# Altium PCB BloopPadMaxx_00.PcbDoc (part 3 of 3) (continued)
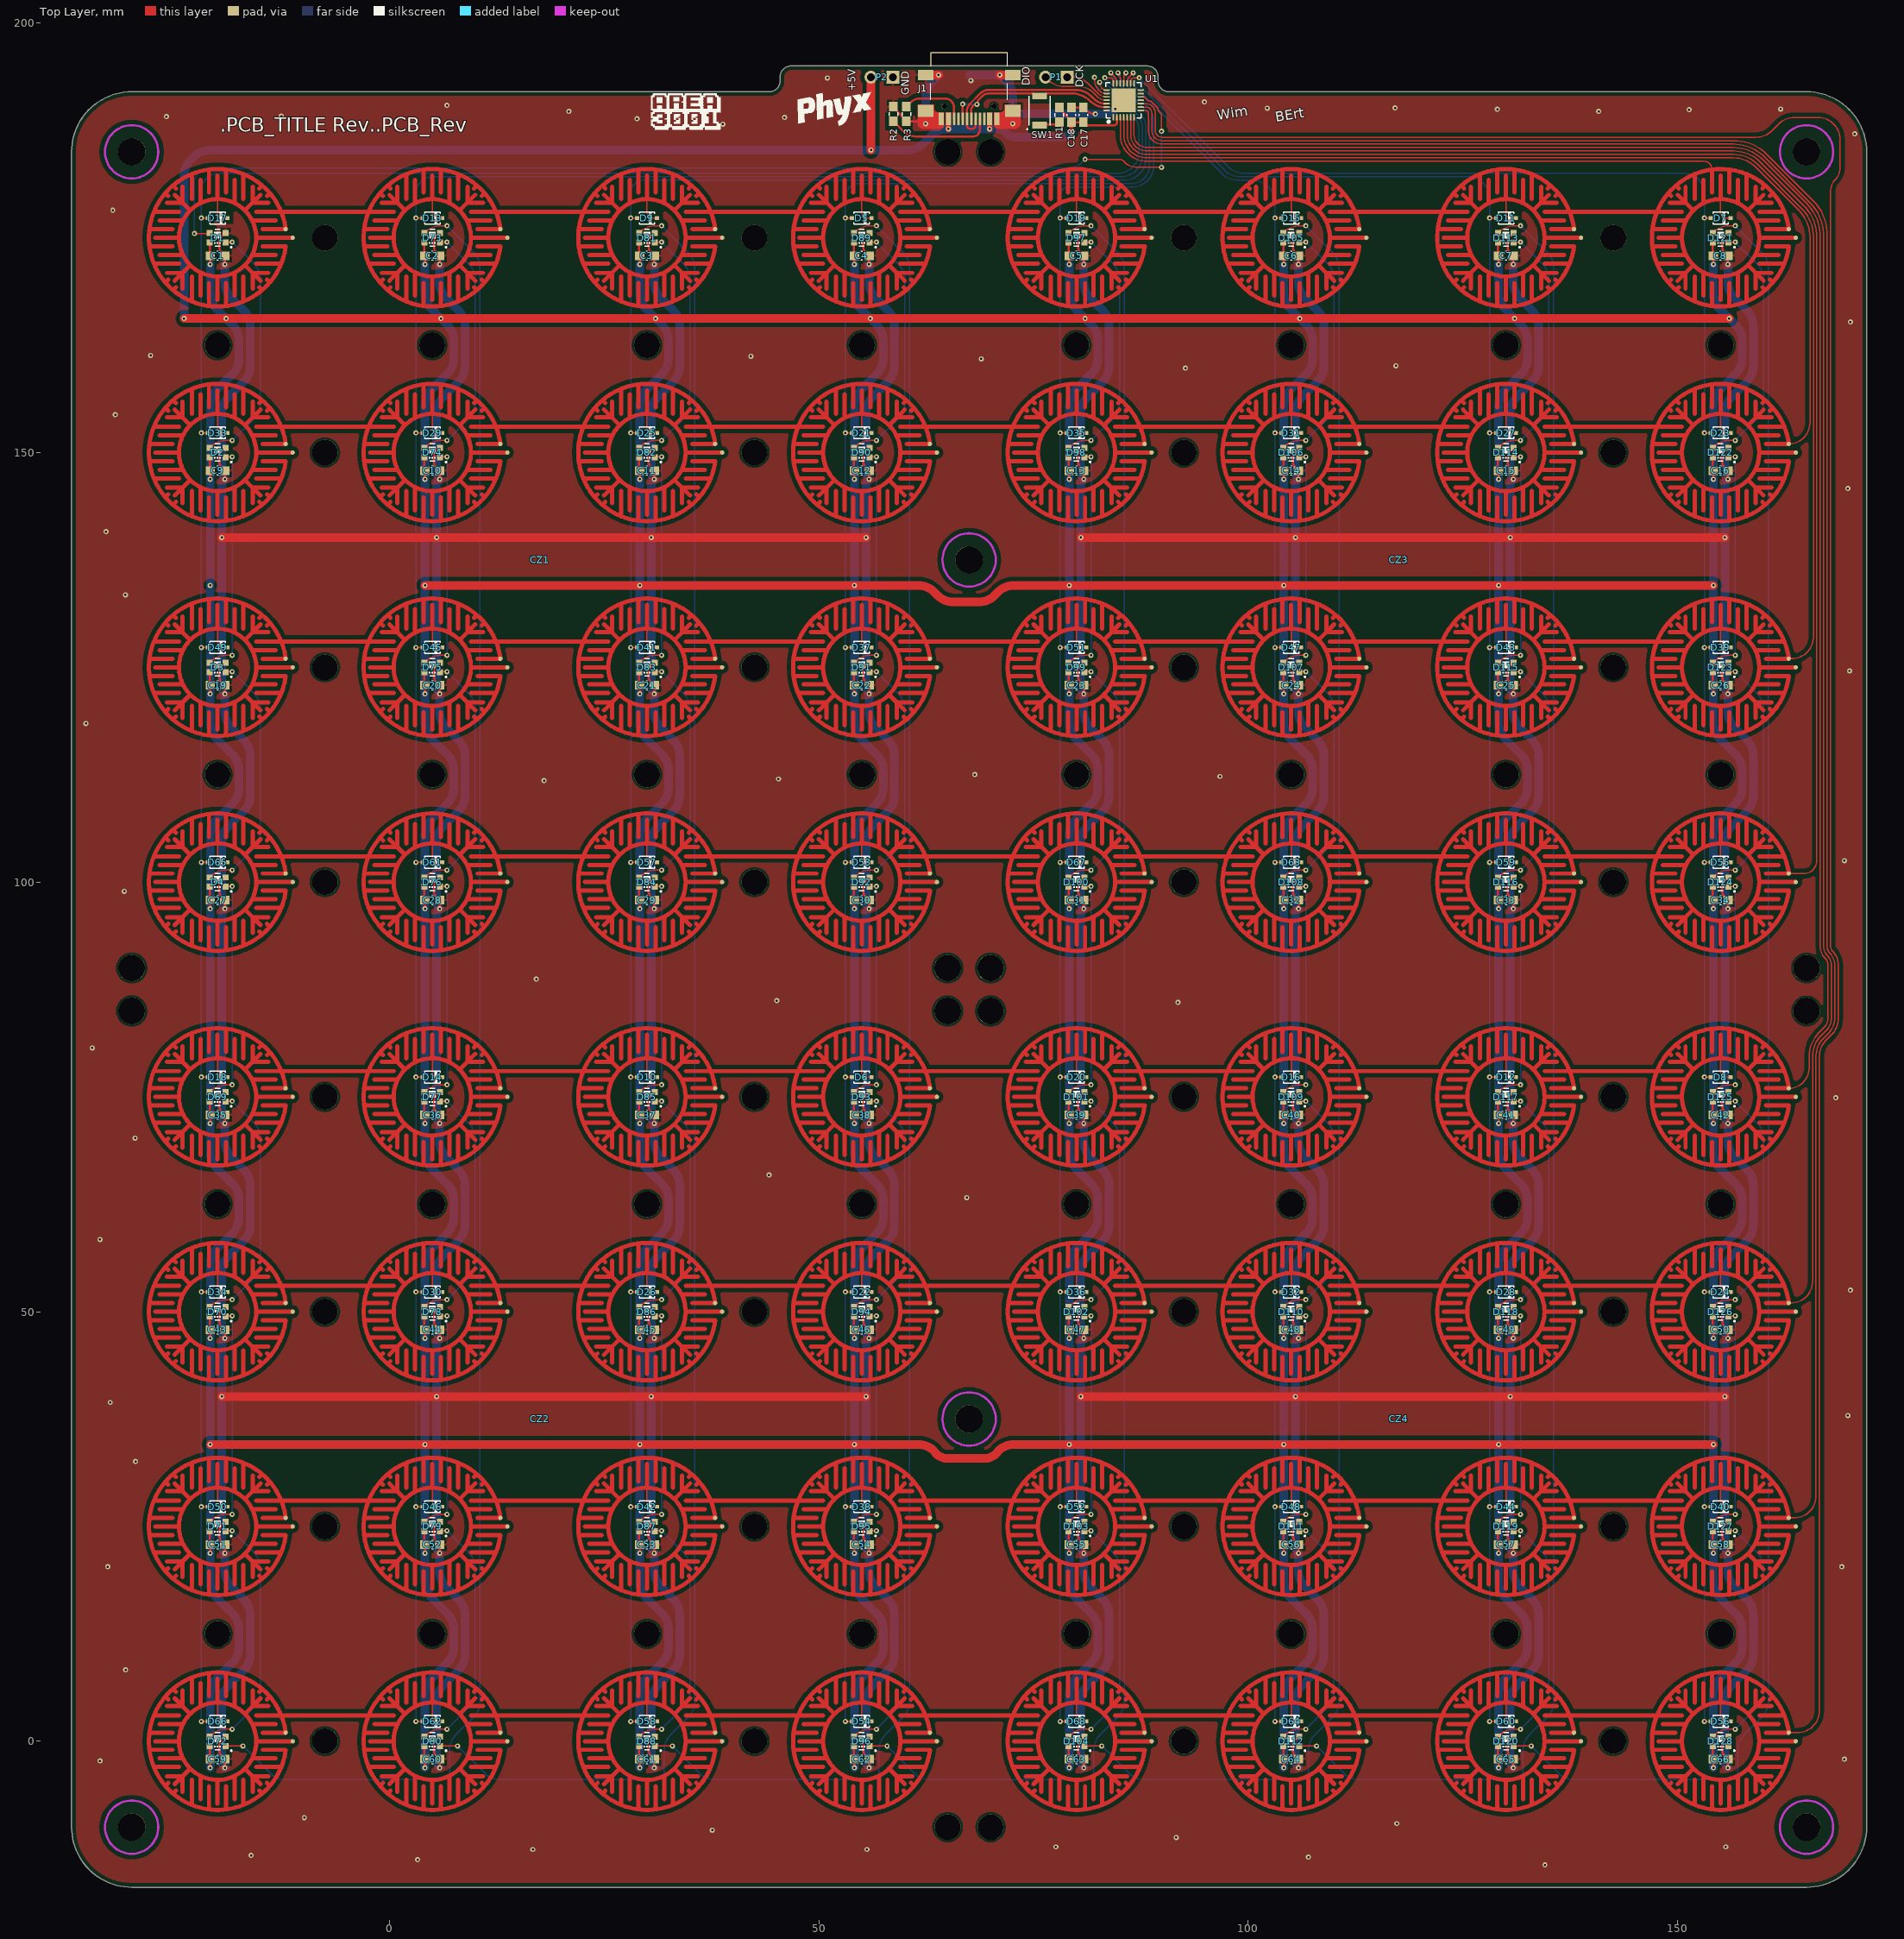
[diagram p0: Top Layer view]
## Nets (pads, with @x,y where several pads share a name; then routed paths per layer and width w, separated by ;. In a path a pad name is that pad's centre, name@x,y a point inside that pad or via, vN(x,y) a via of type N, cw(c..) or ccw(c..) an arc to the next point about the centre after c; other vN are vias at no path point) (continued)
  Bottom Layer w0.15: v1(85.761,194.196) ccw(c87.107,194.196) 86.156,193.244 96.956,182.444 ccw(c98.752,184.24) 98.752,181.7 100.46,181.7 cw(c100.46,179.06) 103.1,179.06 v1(103.1,177.3) v1(103.1,152.3) v1(103.1,127.3) v1(103.1,102.3) v1(103.1,77.3) v1(103.1,52.3) v1(103.1,27.3) v1(103.1,2.3)
ROW6: D11.A D12.A D27.A D28.A D43.A D44.A D59.A D60.A U1.17 | length 233
  Top Layer w0.15: U1.17@85.9,192.975 cw(c87.167,192.975) 86.271,193.871 v1(86.6,194.2) ; v1(128.1,2.3) D60.A@128.86,2.3 ; v1(128.1,27.3) D44.A@128.86,27.3 ; v1(128.1,52.3) D28.A@128.86,52.3 ; v1(128.1,77.3) D12.A@128.86,77.3 ; v1(128.1,102.3) D59.A@128.86,102.3 ; v1(128.1,127.3) D43.A@128.86,127.3 ; v1(128.1,152.3) D27.A@128.86,152.3 ; v1(128.1,177.3) D11.A@128.86,177.3
  Bottom Layer w0.15: v1(86.6,194.2) ccw(c88.304,194.2) 87.099,192.995 97.25,182.844 ccw(c99.046,184.64) 99.046,182.1 99.791,182.1 125.56,182.1 cw(c125.56,179.56) 128.1,179.56 v1(128.1,177.3) v1(128.1,152.3) v1(128.1,127.3) v1(128.1,102.3) v1(128.1,77.3) v1(128.1,52.3) v1(128.1,27.3) v1(128.1,2.3)
ROW7: D7.A D8.A D23.A D24.A D39.A D40.A D55.A D56.A U1.16 | length 257
  Top Layer w0.15: U1.16@86.3,192.975 86.3,193.184 cw(c86.747,193.184) 86.747,193.631 v1(87.303,193.631) ; v1(153.1,2.3) D56.A@153.86,2.3 ; v1(153.1,27.3) D40.A@153.86,27.3 ; v1(153.1,52.3) D24.A@153.86,52.3 ; v1(153.1,77.3) D8.A@153.86,77.3 ; v1(153.1,102.3) D55.A@153.86,102.3 ; v1(153.1,127.3) D39.A@153.86,127.3 ; v1(153.1,152.3) D23.A@153.86,152.3 ; v1(153.1,177.3) D7.A@153.86,177.3
  Bottom Layer w0.15: v1(87.303,193.631) 97.69,183.244 ccw(c99.486,185.04) 99.486,182.5 102.024,182.5 150.76,182.5 cw(c150.76,180.16) 153.1,180.16 v1(153.1,177.3) v1(153.1,152.3) v1(153.1,127.3) v1(153.1,102.3) v1(153.1,77.3) v1(153.1,52.3) v1(153.1,27.3) v1(153.1,2.3)
USB.D_n: J1.A7 J1.B7 U1.26 | length 21.8
  Top Layer w0.25: J1.B7@68.25,188.853 68.25,188.05 cw(c67.9,188.05) 67.9,187.7 67.6,187.7 cw(c67.6,188.05) 67.25,188.05 J1.A7@67.25,188.853 67.25,189.703 cw(c68.587,189.703) 67.642,190.648 68.804,191.811 cw(c69.731,190.884) 69.731,192.195 79.934,192.195 cw(c79.934,189.655) 81.73,191.451 81.775,191.406 cw(c79.621,188.821) 82,191.2 ccw(c83.449,192.649) 83.449,190.6 U1.26@83.525,190.6
USB.D_p: J1.A6 J1.B6 SW1.2 U1.27 | length 21.8
  Top Layer w0.25: J1.B6@66.75,188.853 v1(66.75,190.55) ; J1.A6@67.75,188.853 67.75,189.886 cw(c68.4,189.886) v1(68.4,190.536) cw(c69.136,190.536) 68.616,191.056 69.087,191.528 cw(c69.709,190.906) 69.709,191.785 74.975,191.785 74.975,191.775 75.25,191.5 76.15,191.5 76.445,191.795 79.503,191.795 cw(c79.503,188.89) 81.556,190.944 ccw(c83.352,192.74) 83.352,190.2 U1.27@83.525,190.2
  Bottom Layer w0.25: v1(66.75,190.55) ccw(c66.784,190.584) 66.784,190.536 v1(68.4,190.536)
VUSB: C1.1 C2.1 C3.1 C4.1 C5.1 C6.1 C7.1 C8.1 C9.1 C10.1 C11.1 C12.1 C13.1 C14.1 C15.1 C16.1 C17.1 C18.1 C19.1 C20.1 C21.1 C22.1 C23.1 C24.1 C25.1 C26.1 C27.1 C28.1 C29.1 C30.1 C31.1 C32.1 C33.1 C34.1 C35.1 C36.1 C37.1 C38.1 C39.1 C40.1 C41.1 C42.1 C43.1 C44.1 C45.1 C46.1 C47.1 C48.1 C49.1 C50.1 C51.1 C52.1 C53.1 C54.1 C55.1 C56.1 C57.1 C58.1 C59.1 C60.1 C61.1 C62.1 C63.1 C64.1 C65.1 C66.1 D1.4 D2.4 D3.4 D4.4 D69.4 D70.4 D71.4 D72.4 D73.4 D74.4 D75.4 D76.4 D77.4 D78.4 D79.4 D80.4 D81.4 D82.4 D83.4 D84.4 D85.4 D86.4 D87.4 D88.4 D89.4 D90.4 D91.4 D92.4 D93.4 D94.4 D95.4 D96.4 D97.4 D98.4 D99.4 D100.4 D101.4 D102.4 D103.4 D104.4 D105.4 D106.4 D107.4 D108.4 D109.4 D110.4 D111.4 D112.4 D113.4 D114.4 D115.4 D116.4 D117.4 D118.4 D119.4 D120.4 D121.4 D122.4 D123.4 D124.4 D125.4 D126.4 D127.4 D128.4 J1.A4 J1.A9 J1.B4 J1.B9 P2.2 R1.1 U1.2 | length 2288.5
  Top Layer w0.25: D72.4@-20.915,-0.55 -20.915,-2.035 ccw(c-20.85,-2.035) C59.1@-20.85,-2.1 v1(-20.85,-3.1) ; D71.4@-20.915,24.45 -20.915,22.965 ccw(c-20.85,22.965) C51.1@-20.85,22.9 v1(-20.85,21.9) ; D70.4@-20.915,49.45 -20.915,47.965 ccw(c-20.85,47.965) C43.1@-20.85,47.9 v1(-20.85,46.9) ; D69.4@-20.915,74.45 -20.915,72.965 ccw(c-20.85,72.965) C35.1@-20.85,72.9 v1(-20.85,71.9) ; D4.4@-20.915,99.45 -20.915,97.965 ccw(c-20.85,97.965) C27.1@-20.85,97.9 v1(-20.85,96.9) ; D3.4@-20.915,124.45 -20.915,122.965 ccw(c-20.85,122.965) C19.1@-20.85,122.9 v1(-20.85,121.9) ; D2.4@-20.915,149.45 -20.915,147.965 ccw(c-20.85,147.965) C9.1@-20.85,147.9 v1(-20.85,146.9) ; D1.4@-20.915,174.45 -20.915,172.965 ccw(c-20.85,172.965) C1.1@-20.85,172.9 v1(-20.85,171.9) ; D80.4@4.085,-0.55 4.085,-2.035 ccw(c4.15,-2.035) C60.1@4.15,-2.1 v1(4.15,-3.1) ; D79.4@4.085,24.45 4.085,22.965 ccw(c4.15,22.965) C52.1@4.15,22.9 v1(4.15,21.9) ; D78.4@4.085,49.45 4.085,47.965 ccw(c4.15,47.965) C44.1@4.15,47.9 v1(4.15,46.9) ; D77.4@4.085,74.45 4.085,72.965 ccw(c4.15,72.965) C36.1@4.15,72.9 v1(4.15,71.9) ; D76.4@4.085,99.45 4.085,97.965 ccw(c4.15,97.965) C28.1@4.15,97.9 v1(4.15,96.9) ; D75.4@4.085,124.45 4.085,122.965 ccw(c4.15,122.965) C20.1@4.15,122.9 v1(4.15,121.9) ; D74.4@4.085,149.45 4.085,147.965 ccw(c4.15,147.965) C10.1@4.15,147.9 v1(4.15,146.9) ; D73.4@4.085,174.45 4.085,172.965 ccw(c4.15,172.965) C2.1@4.15,172.9 v1(4.15,171.9) ; D88.4@29.085,-0.55 29.085,-2.035 ccw(c29.15,-2.035) C61.1@29.15,-2.1 v1(29.15,-3.1) ; D87.4@29.085,24.45 29.085,22.965 ccw(c29.15,22.965) C53.1@29.15,22.9 v1(29.15,21.9) ; D86.4@29.085,49.45 29.085,47.965 ccw(c29.15,47.965) C45.1@29.15,47.9 v1(29.15,46.9) ; D85.4@29.085,74.45 29.085,72.965 ccw(c29.15,72.965) C37.1@29.15,72.9 v1(29.15,71.9) ; D84.4@29.085,99.45 29.085,97.965 ccw(c29.15,97.965) C29.1@29.15,97.9 v1(29.15,96.9) ; D83.4@29.085,124.45 29.085,122.965 ccw(c29.15,122.965) C21.1@29.15,122.9 v1(29.15,121.9) ; D82.4@29.085,149.45 29.085,147.965 ccw(c29.15,147.965) C11.1@29.15,147.9 v1(29.15,146.9) ; D81.4@29.085,174.45 29.085,172.965 ccw(c29.15,172.965) C3.1@29.15,172.9 v1(29.15,171.9) ; D96.4@54.085,-0.55 54.085,-2.035 ccw(c54.15,-2.035) C62.1@54.15,-2.1 v1(54.15,-3.1) ; D95.4@54.085,24.45 54.085,22.965 ccw(c54.15,22.965) C54.1@54.15,22.9 v1(54.15,21.9) ; D94.4@54.085,49.45 54.085,47.965 ccw(c54.15,47.965) C46.1@54.15,47.9 v1(54.15,46.9) ; D93.4@54.085,74.45 54.085,72.965 ccw(c54.15,72.965) C38.1@54.15,72.9 v1(54.15,71.9) ; D92.4@54.085,99.45 54.085,97.965 ccw(c54.15,97.965) C30.1@54.15,97.9 v1(54.15,96.9) ; D91.4@54.085,124.45 54.085,122.965 ccw(c54.15,122.965) C22.1@54.15,122.9 v1(54.15,121.9) ; D90.4@54.085,149.45 54.085,147.965 ccw(c54.15,147.965) C12.1@54.15,147.9 v1(54.15,146.9) ; D89.4@54.085,174.45 54.085,172.965 ccw(c54.15,172.965) C4.1@54.15,172.9 v1(54.15,171.9) ; R1.1@78,190.15 C18.1@79.4,188.45 C17.1@80.8,188.45 ccw(c81.15,188.45) 81.15,188.1 84.4,188.1 ccw(c84.4,188.4) 84.7,188.4 U1.2@84.7,189.025 ; D104.4@79.085,-0.55 79.085,-2.035 ccw(c79.15,-2.035) C63.1@79.15,-2.1 v1(79.15,-3.1) ; D103.4@79.085,24.45 79.085,22.965 ccw(c79.15,22.965) C55.1@79.15,22.9 v1(79.15,21.9) ; D102.4@79.085,49.45 79.085,47.965 ccw(c79.15,47.965) C47.1@79.15,47.9 v1(79.15,46.9) ; D101.4@79.085,74.45 79.085,72.965 ccw(c79.15,72.965) C39.1@79.15,72.9 v1(79.15,71.9) ; D100.4@79.085,99.45 79.085,97.965 ccw(c79.15,97.965) C31.1@79.15,97.9 v1(79.15,96.9) ; D99.4@79.085,124.45 79.085,122.965 ccw(c79.15,122.965) C23.1@79.15,122.9 v1(79.15,121.9) ; D98.4@79.085,149.45 79.085,147.965 ccw(c79.15,147.965) C13.1@79.15,147.9 v1(79.15,146.9) ; D97.4@79.085,174.45 79.085,172.965 ccw(c79.15,172.965) C5.1@79.15,172.9 v1(79.15,171.9) ; D112.4@104.085,-0.55 104.085,-2.035 ccw(c104.15,-2.035) C64.1@104.15,-2.1 v1(104.15,-3.1) ; D111.4@104.085,24.45 104.085,22.965 ccw(c104.15,22.965) C56.1@104.15,22.9 v1(104.15,21.9) ; D110.4@104.085,49.45 104.085,47.965 ccw(c104.15,47.965) C48.1@104.15,47.9 v1(104.15,46.9) ; D109.4@104.085,74.45 104.085,72.965 ccw(c104.15,72.965) C40.1@104.15,72.9 v1(104.15,71.9) ; D108.4@104.085,99.45 104.085,97.965 ccw(c104.15,97.965) C32.1@104.15,97.9 v1(104.15,96.9) ; D107.4@104.085,124.45 104.085,122.965 ccw(c104.15,122.965) C24.1@104.15,122.9 v1(104.15,121.9) ; D106.4@104.085,149.45 104.085,147.965 ccw(c104.15,147.965) C14.1@104.15,147.9 v1(104.15,146.9) ; D105.4@104.085,174.45 104.085,172.965 ccw(c104.15,172.965) C6.1@104.15,172.9 v1(104.15,171.9) ; D120.4@129.085,-0.55 129.085,-2.035 ccw(c129.15,-2.035) C65.1@129.15,-2.1 v1(129.15,-3.1) ; D119.4@129.085,24.45 129.085,22.965 ccw(c129.15,22.965) C57.1@129.15,22.9 v1(129.15,21.9) ; D118.4@129.085,49.45 129.085,47.965 ccw(c129.15,47.965) C49.1@129.15,47.9 v1(129.15,46.9) ; D117.4@129.085,74.45 129.085,72.965 ccw(c129.15,72.965) C41.1@129.15,72.9 v1(129.15,71.9) ; D116.4@129.085,99.45 129.085,97.965 ccw(c129.15,97.965) C33.1@129.15,97.9 v1(129.15,96.9) ; D115.4@129.085,124.45 129.085,122.965 ccw(c129.15,122.965) C25.1@129.15,122.9 v1(129.15,121.9) ; D114.4@129.085,149.45 129.085,147.965 ccw(c129.15,147.965) C15.1@129.15,147.9 v1(129.15,146.9) ; D113.4@129.085,174.45 129.085,172.965 ccw(c129.15,172.965) C7.1@129.15,172.9 v1(129.15,171.9) ; D128.4@154.085,-0.55 154.085,-2.035 ccw(c154.15,-2.035) C66.1@154.15,-2.1 v1(154.15,-3.1) ; D127.4@154.085,24.45 154.085,22.965 ccw(c154.15,22.965) C58.1@154.15,22.9 v1(154.15,21.9) ; D126.4@154.085,49.45 154.085,47.965 ccw(c154.15,47.965) C50.1@154.15,47.9 v1(154.15,46.9) ; D125.4@154.085,74.45 154.085,72.965 ccw(c154.15,72.965) C42.1@154.15,72.9 v1(154.15,71.9) ; D124.4@154.085,99.45 154.085,97.965 ccw(c154.15,97.965) C34.1@154.15,97.9 v1(154.15,96.9) ; D123.4@154.085,124.45 154.085,122.965 ccw(c154.15,122.965) C26.1@154.15,122.9 v1(154.15,121.9) ; D122.4@154.085,149.45 154.085,147.965 ccw(c154.15,147.965) C16.1@154.15,147.9 v1(154.15,146.9) ; D121.4@154.085,174.45 154.085,172.965 ccw(c154.15,172.965) C8.1@154.15,172.9 v1(154.15,171.9)
  Top Layer w0.5: v1(79.4,187.2) C18.1@79.4,188.45
  Top Layer w1: v1(-23.9,165.6) v1(-19,165.6) v1(6,165.6) v1(31,165.6) v1(56,165.6) v1(81,165.6) v1(106,165.6) v1(131,165.6) v1(156,165.6) ; v1(-20.85,34.537) v1(4.15,34.537) v1(29.15,34.537) v1(54.15,34.537) 61.611,34.537 cw(c61.611,31.997) 63.407,33.793 ccw(c64.946,34.716) 64.946,32.922 69.354,32.922 ccw(c69.354,34.716) 70.893,33.793 cw(c72.689,31.997) 72.689,34.537 v1(79.15,34.537) v1(104.15,34.537) v1(129.15,34.537) v1(154.15,34.537) ; v1(4.15,134.537) v1(29.15,134.537) v1(54.15,134.537) 61.611,134.537 cw(c61.611,131.997) 63.407,133.793 63.856,133.344 ccw(c65.652,135.14) 65.652,132.6 68.648,132.6 ccw(c68.648,135.14) 70.444,133.344 70.893,133.793 cw(c72.689,131.997) 72.689,134.537 v1(79.15,134.537) v1(104.15,134.537) v1(129.15,134.537) v1(154.15,134.537) ; v1(56.07,185.2) P2.2@56.07,193.7
  Bottom Layer w1: v1(-23.9,165.6) -23.9,182.248 cw(c-21.36,182.248) -23.156,184.044 -22.744,184.456 cw(c-20.948,182.66) -20.948,185.2 60.348,185.2 ccw(c60.348,187.74) 62.144,185.944 63.119,186.919 cw(c64.915,185.123) 64.915,187.663 v1(65.1,187.663) v1(69.9,187.663) 70.683,187.663 cw(c70.683,186.083) 71.8,187.2 ccw(c73.007,188.407) 73.007,186.7 78.193,186.7 ccw(c78.193,188.407) v1(79.4,187.2) ; v1(-20.85,-3.1) -20.85,5.498 cw(c-18.31,5.498) -20.106,7.294 -18.244,9.156 ccw(c-20.04,10.952) -17.5,10.952 -17.5,13.048 ccw(c-20.04,13.048) -18.244,14.844 -20.106,16.706 cw(c-18.31,18.502) -20.85,18.502 v1(-20.85,21.9) v1(-20.85,34.537) v1(-20.85,46.9) -20.85,55.498 cw(c-18.31,55.498) -20.106,57.294 -18.244,59.156 ccw(c-20.04,60.952) -17.5,60.952 -17.5,63.048 ccw(c-20.04,63.048) -18.244,64.844 -20.106,66.706 cw(c-18.31,68.502) -20.85,68.502 v1(-20.85,71.9) v1(-20.85,96.9) -20.85,105.498 cw(c-18.31,105.498) -20.106,107.294 -18.244,109.156 ccw(c-20.04,110.952) -17.5,110.952 -17.5,113.048 ccw(c-20.04,113.048) -18.244,114.844 -20.106,116.706 cw(c-18.31,118.502) -20.85,118.502 v1(-20.85,121.9) v1(-20.85,134.537) v1(-20.85,146.9) -20.85,155.498 cw(c-18.31,155.498) -20.106,157.294 -18.244,159.156 ccw(c-20.04,160.952) -17.5,160.952 -17.5,163.048 ccw(c-20.04,163.048) -18.244,164.844 v1(-19,165.6) -20.106,166.706 cw(c-18.31,168.502) -20.85,168.502 v1(-20.85,171.9) ; v1(4.15,-3.1) 4.15,5.498 cw(c6.69,5.498) 4.894,7.294 6.756,9.156 ccw(c4.96,10.952) 7.5,10.952 7.5,13.048 ccw(c4.96,13.048) 6.756,14.844 4.894,16.706 cw(c6.69,18.502) 4.15,18.502 v1(4.15,21.9) v1(4.15,34.537) v1(4.15,46.9) 4.15,55.498 cw(c6.69,55.498) 4.894,57.294 6.756,59.156 ccw(c4.96,60.952) 7.5,60.952 7.5,63.048 ccw(c4.96,63.048) 6.756,64.844 4.894,66.706 cw(c6.69,68.502) 4.15,68.502 v1(4.15,71.9) v1(4.15,96.9) 4.15,105.498 cw(c6.69,105.498) 4.894,107.294 6.756,109.156 ccw(c4.96,110.952) 7.5,110.952 7.5,113.048 ccw(c4.96,113.048) 6.756,114.844 4.894,116.706 cw(c6.69,118.502) 4.15,118.502 v1(4.15,121.9) v1(4.15,134.537) v1(4.15,146.9) 4.15,155.498 cw(c6.69,155.498) 4.894,157.294 6.756,159.156 ccw(c4.96,160.952) 7.5,160.952 7.5,163.048 ccw(c4.96,163.048) 6.756,164.844 v1(6,165.6) 4.894,166.706 cw(c6.69,168.502) 4.15,168.502 v1(4.15,171.9) ; v1(29.15,-3.1) 29.15,5.498 cw(c31.69,5.498) 29.894,7.294 31.756,9.156 ccw(c29.96,10.952) 32.5,10.952 32.5,13.048 ccw(c29.96,13.048) 31.756,14.844 29.894,16.706 cw(c31.69,18.502) 29.15,18.502 v1(29.15,21.9) v1(29.15,34.537) v1(29.15,46.9) 29.15,55.498 cw(c31.69,55.498) 29.894,57.294 31.756,59.156 ccw(c29.96,60.952) 32.5,60.952 32.5,63.048 ccw(c29.96,63.048) 31.756,64.844 29.894,66.706 cw(c31.69,68.502) 29.15,68.502 v1(29.15,71.9) v1(29.15,96.9) 29.15,105.498 cw(c31.69,105.498) 29.894,107.294 31.756,109.156 ccw(c29.96,110.952) 32.5,110.952 32.5,113.048 ccw(c29.96,113.048) 31.756,114.844 29.894,116.706 cw(c31.69,118.502) 29.15,118.502 v1(29.15,121.9) v1(29.15,134.537) v1(29.15,146.9) 29.15,155.498 cw(c31.69,155.498) 29.894,157.294 31.756,159.156 ccw(c29.96,160.952) 32.5,160.952 32.5,163.048 ccw(c29.96,163.048) 31.756,164.844 29.894,166.706 cw(c31.69,168.502) 29.15,168.502 v1(29.15,171.9) ; v1(54.15,-3.1) 54.15,5.498 cw(c56.69,5.498) 54.894,7.294 56.756,9.156 ccw(c54.96,10.952) 57.5,10.952 57.5,13.048 ccw(c54.96,13.048) 56.756,14.844 54.894,16.706 cw(c56.69,18.502) 54.15,18.502 v1(54.15,21.9) v1(54.15,34.537) v1(54.15,46.9) 54.15,55.498 cw(c56.69,55.498) 54.894,57.294 56.756,59.156 ccw(c54.96,60.952) 57.5,60.952 57.5,63.048 ccw(c54.96,63.048) 56.756,64.844 54.894,66.706 cw(c56.69,68.502) 54.15,68.502 v1(54.15,71.9) v1(54.15,96.9) 54.15,105.498 cw(c56.69,105.498) 54.894,107.294 56.756,109.156 ccw(c54.96,110.952) 57.5,110.952 57.5,113.048 ccw(c54.96,113.048) 56.756,114.844 54.894,116.706 cw(c56.69,118.502) 54.15,118.502 v1(54.15,121.9) v1(54.15,134.537) v1(54.15,146.9) 54.15,155.498 cw(c56.69,155.498) 54.894,157.294 56.756,159.156 ccw(c54.96,160.952) 57.5,160.952 57.5,163.048 ccw(c54.96,163.048) 56.756,164.844 v1(56,165.6) 54.894,166.706 cw(c56.69,168.502) 54.15,168.502 v1(54.15,171.9) ; v1(79.15,-3.1) 79.15,5.498 cw(c81.69,5.498) 79.894,7.294 81.756,9.156 ccw(c79.96,10.952) 82.5,10.952 82.5,13.048 ccw(c79.96,13.048) 81.756,14.844 79.894,16.706 cw(c81.69,18.502) 79.15,18.502 v1(79.15,21.9) v1(79.15,34.537) v1(79.15,46.9) 79.15,55.498 cw(c81.69,55.498) 79.894,57.294 81.756,59.156 ccw(c79.96,60.952) 82.5,60.952 82.5,63.048 ccw(c79.96,63.048) 81.756,64.844 79.894,66.706 cw(c81.69,68.502) 79.15,68.502 v1(79.15,71.9) v1(79.15,96.9) 79.15,105.498 cw(c81.69,105.498) 79.894,107.294 81.756,109.156 ccw(c79.96,110.952) 82.5,110.952 82.5,113.048 ccw(c79.96,113.048) 81.756,114.844 79.894,116.706 cw(c81.69,118.502) 79.15,118.502 v1(79.15,121.9) v1(79.15,134.537) v1(79.15,146.9) 79.15,155.498 cw(c81.69,155.498) 79.894,157.294 81.756,159.156 ccw(c79.96,160.952) 82.5,160.952 82.5,163.048 ccw(c79.96,163.048) 81.756,164.844 v1(81,165.6) 79.894,166.706 cw(c81.69,168.502) 79.15,168.502 v1(79.15,171.9) ; v1(104.15,-3.1) 104.15,5.498 cw(c106.69,5.498) 104.894,7.294 106.756,9.156 ccw(c104.96,10.952) 107.5,10.952 107.5,13.048 ccw(c104.96,13.048) 106.756,14.844 104.894,16.706 cw(c106.69,18.502) 104.15,18.502 v1(104.15,21.9) v1(104.15,34.537) v1(104.15,46.9) 104.15,55.498 cw(c106.69,55.498) 104.894,57.294 106.756,59.156 ccw(c104.96,60.952) 107.5,60.952 107.5,63.048 ccw(c104.96,63.048) 106.756,64.844 104.894,66.706 cw(c106.69,68.502) 104.15,68.502 v1(104.15,71.9) v1(104.15,96.9) 104.15,105.498 cw(c106.69,105.498) 104.894,107.294 106.756,109.156 ccw(c104.96,110.952) 107.5,110.952 107.5,113.048 ccw(c104.96,113.048) 106.756,114.844 104.894,116.706 cw(c106.69,118.502) 104.15,118.502 v1(104.15,121.9) v1(104.15,134.537) v1(104.15,146.9) 104.15,155.498 cw(c106.69,155.498) 104.894,157.294 106.756,159.156 ccw(c104.96,160.952) 107.5,160.952 107.5,163.048 ccw(c104.96,163.048) 106.756,164.844 v1(106,165.6) 104.894,166.706 cw(c106.69,168.502) 104.15,168.502 v1(104.15,171.9) ; v1(129.15,-3.1) 129.15,5.498 cw(c131.69,5.498) 129.894,7.294 131.756,9.156 ccw(c129.96,10.952) 132.5,10.952 132.5,13.048 ccw(c129.96,13.048) 131.756,14.844 129.894,16.706 cw(c131.69,18.502) 129.15,18.502 v1(129.15,21.9) v1(129.15,34.537) v1(129.15,46.9) 129.15,55.498 cw(c131.69,55.498) 129.894,57.294 131.756,59.156 ccw(c129.96,60.952) 132.5,60.952 132.5,63.048 ccw(c129.96,63.048) 131.756,64.844 129.894,66.706 cw(c131.69,68.502) 129.15,68.502 v1(129.15,71.9) v1(129.15,96.9) 129.15,105.498 cw(c131.69,105.498) 129.894,107.294 131.756,109.156 ccw(c129.96,110.952) 132.5,110.952 132.5,113.048 ccw(c129.96,113.048) 131.756,114.844 129.894,116.706 cw(c131.69,118.502) 129.15,118.502 v1(129.15,121.9) v1(129.15,134.537) v1(129.15,146.9) 129.15,155.498 cw(c131.69,155.498) 129.894,157.294 131.756,159.156 ccw(c129.96,160.952) 132.5,160.952 132.5,163.048 ccw(c129.96,163.048) 131.756,164.844 129.894,166.706 cw(c131.69,168.502) 129.15,168.502 v1(129.15,171.9) ; v1(154.15,-3.1) 154.15,5.498 cw(c156.69,5.498) 154.894,7.294 156.756,9.156 ccw(c154.96,10.952) 157.5,10.952 157.5,13.048 ccw(c154.96,13.048) 156.756,14.844 154.894,16.706 cw(c156.69,18.502) 154.15,18.502 v1(154.15,21.9) v1(154.15,34.537) v1(154.15,46.9) 154.15,55.498 cw(c156.69,55.498) 154.894,57.294 156.756,59.156 ccw(c154.96,60.952) 157.5,60.952 157.5,63.048 ccw(c154.96,63.048) 156.756,64.844 154.894,66.706 cw(c156.69,68.502) 154.15,68.502 v1(154.15,71.9) v1(154.15,96.9) 154.15,105.498 cw(c156.69,105.498) 154.894,107.294 156.756,109.156 ccw(c154.96,110.952) 157.5,110.952 157.5,113.048 ccw(c154.96,113.048) 156.756,114.844 154.894,116.706 cw(c156.69,118.502) 154.15,118.502 v1(154.15,121.9) v1(154.15,134.537) v1(154.15,146.9) 154.15,155.498 cw(c156.69,155.498) 154.894,157.294 156.756,159.156 ccw(c154.96,160.952) 157.5,160.952 157.5,163.048 ccw(c154.96,163.048) 156.756,164.844 154.894,166.706 cw(c156.69,168.502) 154.15,168.502 v1(154.15,171.9)
pads on no net: CZ1.0 CZ2.0 CZ3.0 CZ4.0 J1.0 J1.A8 J1.B8 U1.1 U1.11 U1.13 U1.14 U1.15 U1.28

## Polygon pours and split planes (outlines as drawn)
GND on Bottom Layer "NONET_L-01_P-001" (solid, remove dead copper, pour order 0): -37,196.1 172,196.1 172,-17 -37,-17
GND on Top Layer "NONET_L-01_P-001" (solid, remove dead copper, pour order 1): -37,195 172,195 172,-17 -37,-17

## Keep-outs
Keep-Out Layer:
  circle w0.254: c67.5,37.5 r3.1
  circle w0.254: c67.5,137.5 r3.1
  circle w0.254: c-30,-10 r3.1
  circle w0.254: c165,-10 r3.1
  circle w0.254: c165,185 r3.1
  circle w0.254: c-30,185 r3.1

## Other copper
Top Layer:
  region net VUSB: 69.6,189.6 70.2,189.6 70.2,187.6 cw(c69.9,187.6) 69.9,187.3 cw(c69.9,187.6) 69.6,187.6 69.6,187.73
  region net VUSB: 64.8,189.6 65.4,189.6 65.4,187.6 cw(c65.1,187.6) 65.1,187.3 cw(c65.1,187.6) 64.8,187.6 64.8,187.73
  region net GND: 70.4,188.1 70.4,189.6 71.1,189.6 ccw(c71.1,190.1) 71.6,190.1 71.6,190.5 73.5,190.5 73.5,188.3 cw(c72.9,188.3) 72.9,187.7 70.8,187.7 cw(c70.8,188.1)
  region net GND: 64.6,188.1 64.6,189.6 63.9,189.6 cw(c63.9,190.1) 63.4,190.1 63.4,190.5 61.5,190.5 61.5,188.3 ccw(c62.1,188.3) 62.1,187.7 64.2,187.7 ccw(c64.2,188.1)

## Silkscreen, mask and mechanical layers (free items; w line width, h text height)
Top Overlay:
  drawing of 10 lines, arcs and shapes, not listed
  text "DIO" at 74.892,192.681 h1.5 r90
  text "DCK" at 81.092,192.49 h1.5 r90
  text "+5V" at 54.592,192.065 h1.5 r90
  text "GND" at 60.792,191.6 h1.5 r90
  text "Wim" at 96.5,188.3 h2 r9
  text "BErt" at 103.3,188.1 h2 r9
  text ".PCB_TITLE Rev..PCB_Rev" at -19.7,186.8 h2.8
Bottom Overlay:
  text "This side was intentionally left blank." at 172,74.5 h9
Outline:
  lines w0.15: -30.01,-17 165,-17 ccw(c165,-10) 172,-10 172,185 ccw(c165,185) 165,192 92.5,192 90.77,192 cw(c90.77,193.27) 89.5,193.27 89.5,193.73 ccw(c88.23,193.73) 88.23,195 67.5,195 46.77,195 ccw(c46.77,193.73) 45.5,193.73 45.5,193.27 cw(c44.23,193.27) 44.23,192 42.5,192 -30,192 ccw(c-30,185) -37,185 -37,-10 ccw(c-30,-10) -30,-17
Fabrication:
  text "1.6mm Thickness" at -14.25,-19.5 h1.5
Frame:
  drawing of 15 lines, arcs and shapes, not listed
  text "Document" at 260.402,-31.311 h2
  text ".PCB_TITLE" at 261.902,-36.811 h3.2
  text "Layer Name" at 260.402,-41.311 h2
  text "<DISABLED>" at 264.902,-46.311 h3.5
  text "Date" at 260.402,-51.311 h2
  text "Rev" at 300.402,-51.311 h2
  text ".Print_Date" at 263.402,-56.811 h3.5
  text ".PCB_REV" at 304.902,-56.811 h4
  text "Desginer" at 210.402,-61.311 h2
  text "Document" at 260.402,-61.311 h2
  text ".Pcb_File_Name_No_Path" at 261.902,-66.311 h1.5
  text ".PCB_ENGINEER" at 214.902,-66.811 h4
Drill Drawing:
  circle w0.15: c181.59,37.31 r0.444
  lines w0.15: 180.343,30.266 307.695,30.266 ; 180.343,42.266 307.695,42.266 ; 187.742,28.266 187.742,44.266 ; 195.773,28.266 195.773,44.266 ; 211.135,28.266 211.135,44.266 ; 217.933,28.266 217.933,44.266 ; 227.771,28.266 227.771,44.266 ; 247.798,28.266 247.798,44.266 ; 255.716,28.266 255.716,44.266 ; 265.713,28.266 265.713,44.266 ; 277.344,28.266 277.344,44.266 ; 288.94,28.266 288.94,44.266 ; 180.343,28.266 307.695,28.266 307.695,44.266 180.343,44.266 180.343,28.266 ; 181.146,31.755 182.035,31.755 181.59,30.866 181.146,31.755 ; 181.146,32.866 182.035,32.866 182.035,33.755 181.146,33.755 181.146,32.866 ; 181.146,35.088 181.368,35.088 181.368,34.866 181.812,34.866 181.812,35.088 182.035,35.088 182.035,35.532 181.812,35.532 181.812,35.755 181.368,35.755 181.368,35.532 181.146,35.532 181.146,35.088 ; 181.146,38.866 181.59,39.088 182.035,38.866 181.812,39.31 182.035,39.755 181.59,39.532 181.146,39.755 181.368,39.31 181.146,38.866 ; 181.146,41.088 181.368,41.088 181.59,40.866 181.812,41.088 182.035,41.088 181.812,41.31 182.035,41.532 181.812,41.532 181.59,41.755 181.368,41.532 181.146,41.532 181.368,41.31 181.146,41.088
  text "Symbol" at 181.543,42.866 h0.96
  text "Count" at 188.342,42.866 h0.96
  text "Hole Size" at 196.373,42.866 h0.96
  text "Plated" at 211.735,42.866 h0.96
  text "Hole Type" at 218.533,42.866 h0.96
  text "Drill Layer Pair" at 228.371,42.866 h0.96
  text "Via/Pad" at 248.398,42.866 h0.96
  text "Pad Shape" at 256.316,42.866 h0.96
  text "Template" at 266.313,42.866 h0.96
  text "Hole Length" at 277.944,42.866 h0.96
  text "Routed Path Length" at 289.54,42.866 h0.96
  text "2" at 188.342,40.866 h0.8
  text "0.650mm (25.59mil)" at 196.373,40.866 h0.8
  text "NPTH" at 211.735,40.866 h0.8
  text "Round" at 218.533,40.866 h0.8
  text "Top Layer - Bottom Layer" at 228.371,40.866 h0.8
  text "Pad" at 248.398,40.866 h0.8
  text "Rounded" at 256.316,40.866 h0.8
  text "c65hn65" at 266.313,40.866 h0.8
  text "-" at 277.944,40.866 h0.8
  text "-" at 289.54,40.866 h0.8
  text "4" at 188.342,38.866 h0.8
  text "0.900mm (35.43mil)" at 196.373,38.866 h0.8
  text "PTH" at 211.735,38.866 h0.8
  text "Round" at 218.533,38.866 h0.8
  text "Top Layer - Bottom Layer" at 228.371,38.866 h0.8
  text "Pad" at 248.398,38.866 h0.8
  text "(Mixed)" at 256.316,38.866 h0.8
  text "(Mixed)" at 266.313,38.866 h0.8
  text "-" at 277.944,38.866 h0.8
  text "-" at 289.54,38.866 h0.8
  text "6" at 188.342,36.866 h0.8
  text "3.200mm (125.98mil)" at 196.373,36.866 h0.8
  text "NPTH" at 211.735,36.866 h0.8
  text "Round" at 218.533,36.866 h0.8
  text "Top Layer - Bottom Layer" at 228.371,36.866 h0.8
  text "Pad" at 248.398,36.866 h0.8
  text "Rounded" at 256.316,36.866 h0.8
  text "c320hn320m620" at 266.313,36.866 h0.8
  text "-" at 277.944,36.866 h0.8
  text "-" at 289.54,36.866 h0.8
  text "8" at 188.342,34.866 h0.8
  text "3.100mm (122.05mil)" at 196.373,34.866 h0.8
  text "NPTH" at 211.735,34.866 h0.8
  text "Round" at 218.533,34.866 h0.8
  text "Top Layer - Bottom Layer" at 228.371,34.866 h0.8
  text "Pad" at 248.398,34.866 h0.8
  text "Rounded" at 256.316,34.866 h0.8
  text "c310hn310" at 266.313,34.866 h0.8
  text "-" at 277.944,34.866 h0.8
  text "-" at 289.54,34.866 h0.8
  text "68" at 188.342,32.866 h0.8
  text "3.000mm (118.11mil)" at 196.373,32.866 h0.8
  text "NPTH" at 211.735,32.866 h0.8
  text "Round" at 218.533,32.866 h0.8
  text "Top Layer - Bottom Layer" at 228.371,32.866 h0.8
  text "Pad" at 248.398,32.866 h0.8
  text "Rounded" at 256.316,32.866 h0.8
  text "c300hn300" at 266.313,32.866 h0.8
  text "-" at 277.944,32.866 h0.8
  text "-" at 289.54,32.866 h0.8
  text "451" at 188.342,30.866 h0.8
  text "0.250mm (9.84mil)" at 196.373,30.866 h0.8
  text "PTH" at 211.735,30.866 h0.8
  text "Round" at 218.533,30.866 h0.8
  text "Top Layer - Bottom Layer" at 228.371,30.866 h0.8
  text "Via" at 248.398,30.866 h0.8
  text "Rounded" at 256.316,30.866 h0.8
  text "v60h25m45" at 266.313,30.866 h0.8
  text "-" at 277.944,30.866 h0.8
  text "-" at 289.54,30.866 h0.8
  text "539 Total" at 188.342,28.866 h0.8

## Dimensions
172,185 to -37,185 on Fabrication
67.5,195 to -30.01,-17 on Fabrication

## Text inside footprints (layer, text, board x,y; h text height)
J1: Comments "PCB Edge" at 69.8,195.9 h0.61 r180